# KiCad board Zynq_SoM.kicad_pcb (continued)
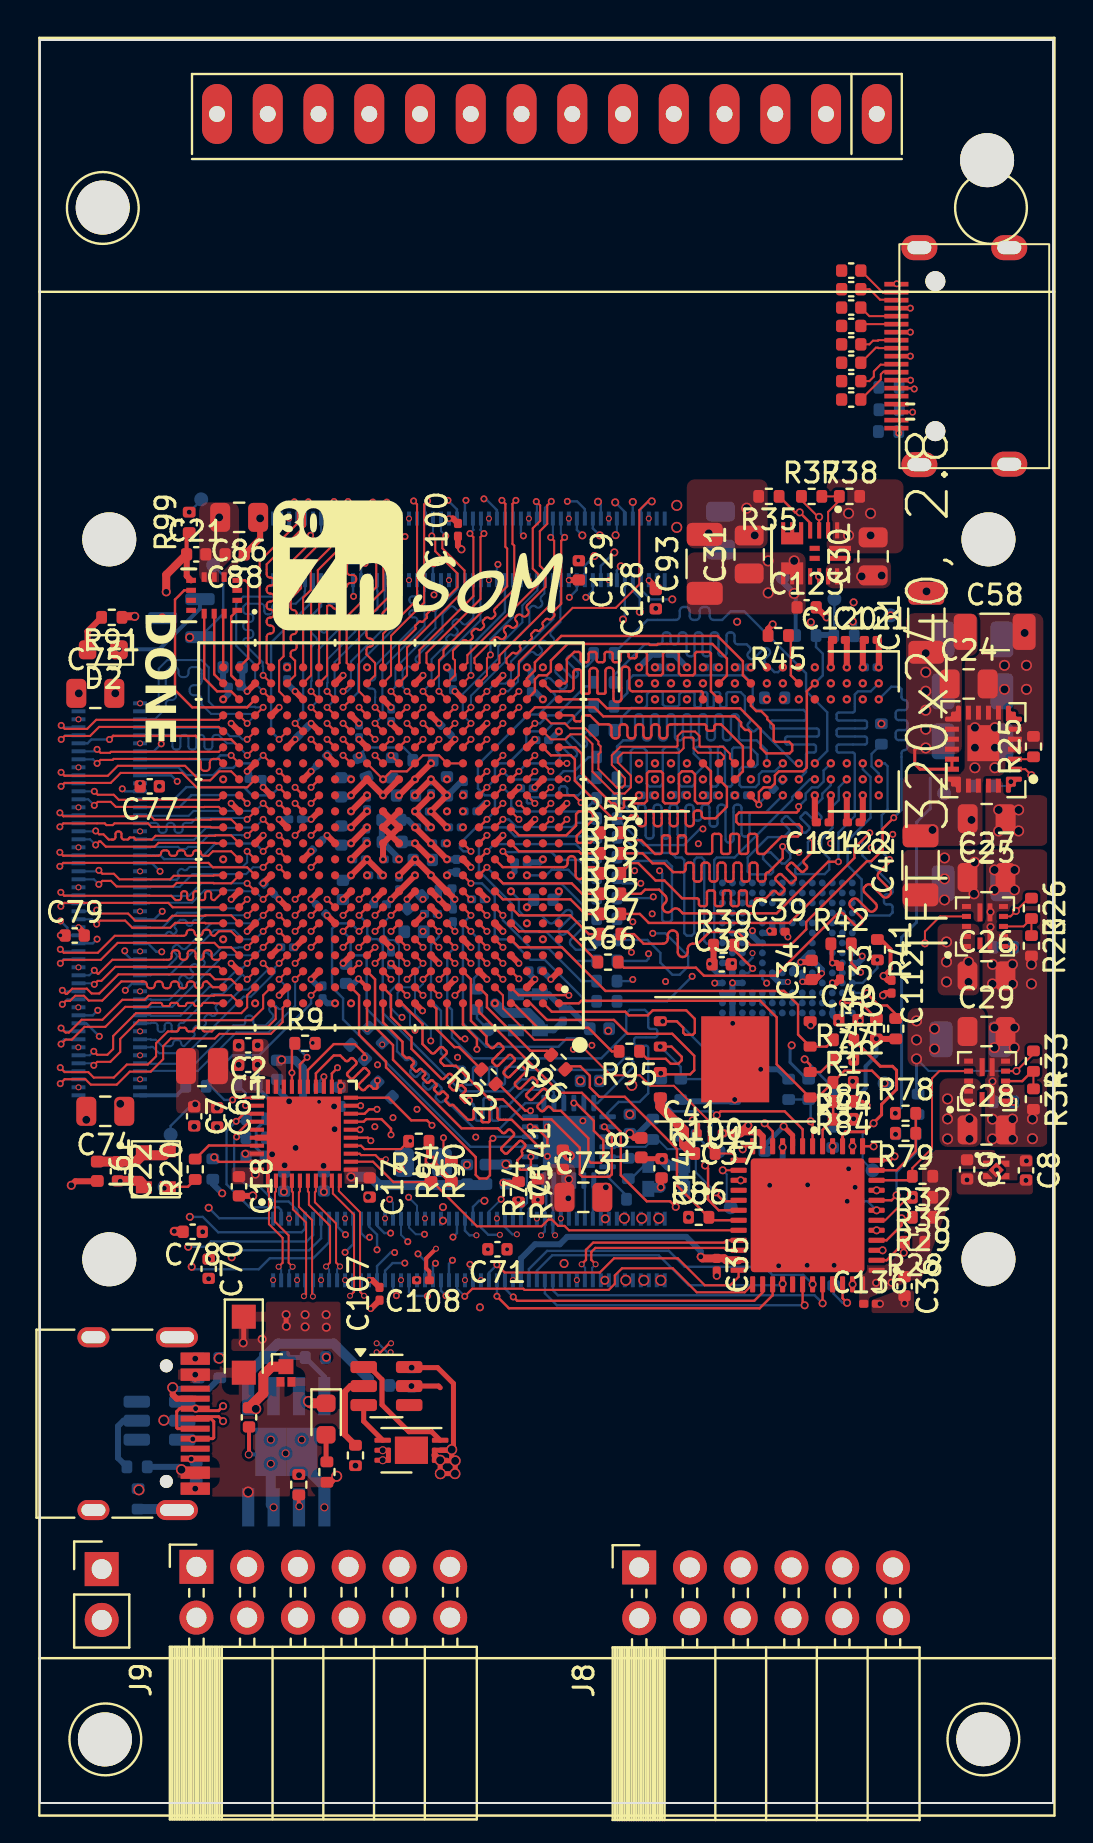
[diagram p0: board, top side]
## Nets (continued)
/Ethernet PHY/3V3A_ETH: C15.1 C17.1 C18.1 L3.2 U3.11 U3.40
/Zynq Power/VCCADC: C103.1 C135.1 L9.1 U2.K11
/Zynq Power/VCCPLL: C43.1 C65.1 L4.2 U2.H10
GND: C1.2 C2.2 C3.2 C4.2 C5.2 C6.2 C7.2 C8.2 C9.2 C10.2 C11.2 C12.2 C13.2 C15.2 C16.2 C17.2 C18.2 C19.2 C20.2 C21.2 C22.2 C23.2 C24.2 C25.2 C26.2 C27.2 C28.2 C29.2 C30.2 C31.2 C32.2 C33.2 C34.2 C35.2 C36.2 C37.2 C38.2 C39.2 C40.2 C41.2 C42.2 C43.2 C44.2 C45.2 C46.2 C47.2 C48.2 C49.2 C50.2 C51.2 C52.2 C53.2 C54.2 C55.2 C56.2 C57.2 C58.2 C59.2 C60.2 C61.2 C62.2 C63.2 C64.2 C65.2 C66.2 C67.2 C68.2 C69.2 C70.2 C71.2 C72.2 C73.2 C74.2 C75.2 C76.2 C77.2 C78.2 C79.2 C80.2 C81.2 C82.2 C83.2 C84.2 C85.2 C86.2 C87.2 C88.2 C89.2 C90.2 C91.2 C92.2 C93.2 C94.2 C95.2 C96.2 C97.2 C98.2 C99.2 C100.2 C101.2 C102.2 C103.2 C104.2 C105.2 C106.2 C107.2 C108.2 C109.2 C110.2 C111.2 C112.2 C114.2 C116.1 C118.2 C119.2 C120.2 C121.2 C122.2 C123.2 C124.2 C125.2 C126.2 C127.2 C128.2 C129.2 C130.2 C131.2 C132.2 C133.2 C134.2 C135.2 C136.2 C137.2 C138.2 C139.2 C141.2 C142.2 J1.15 J1.16 J1.17 J1.18 J1.23 J1.28 J1.34 J1.39 J1.44 J1.51 J1.62 J1.63 J1.72 J1.75 J1.81 J1.82 J1.87 J1.93 J1.96 J1.99 J2.4 J2.5 J2.6 J2.15 J2.16 J2.25 J2.26 J2.35 J2.36 J2.45 J2.46 J2.55 J2.56 J2.65 J2.66 J2.75 J2.76 J2.85 J2.86 J2.95 J2.96 J2.97 J3.3 J3.6 J3.12 J3.13 J3.18 J3.23 J3.28 J3.33 J3.38 J3.43 J3.48 J3.53 J3.58 J3.63 J3.68 J3.73 J3.80 J3.83 J3.90 J3.95 J3.100 J4.14 J5.A1 J5.A12 J5.B1 J5.B12 J6.1 J6.4 J6.7 J6.10 J6.13 J6.SH Q1.4 Q3.3 R4.2 R8.2 R9.2 R10.2 R13.2 R16.2 R17.2 R23.2 R24.1 R25.2 R27.2 R30.2 R31.2 R34.2 R35.2 R38.2 R45.2 R46.2 R48.2 R75.1 R76.2 R77.2 R79.2 R81.2 R83.2 R85.2 R89.2 R93.2 R101.1 R102.1 R103.1 R104.1 R108.2 R109.2 R111.1 U1.A9 U1.B1 U1.B3 U1.B9 U1.D1 U1.D8 U1.E1 U1.E2 U1.E8 U1.F9 U1.G1 U1.G8 U1.G9 U1.J2 U1.J8 U1.M1 U1.M9 U1.P1 U1.P9 U1.T1 U1.T9 U2.A5 U2.A15 U2.AA5 U2.AA15 U2.AB8 U2.AB18 U2.B8 U2.B18 U2.C1 U2.C11 U2.C21 U2.D4 U2.D14 U2.E7 U2.E17 U2.F10 U2.F20 U2.G3 U2.H6 U2.H8 U2.H12 U2.H14 U2.H16 U2.J9 U2.J11 U2.J13 U2.J19 U2.K2 U2.K8 U2.K10 U2.K12 U2.K14 U2.K22 U2.L5 U2.L9 U2.L11 U2.L12 U2.L13 U2.L15 U2.M8 U2.M10 U2.M11 U2.M12 U2.M14 U2.M18 U2.N1 U2.N9 U2.N11 U2.N12 U2.N13 U2.N21 U2.P4 U2.P8 U2.P10 U2.P12 U2.P14 U2.R9 U2.R11 U2.R13 U2.R17 U2.T20 U2.U3 U2.U13 U2.V6 U2.V16 U2.W9 U2.W19 U2.Y2 U2.Y12 U2.Y22 U3.36 U3.41 U4.2 U4.4 U4.7 U4.8 U5.25 U6.2 U6.4 U6.7 U6.8 U7.A6 U7.C4 U7.E7 U7.G5 U7.H10 U7.J5 U7.K8 U7.N1 U7.N2 U7.N5 U7.N6 U7.P4 U7.P6 U8.4 U8.5 U8.6 U8.8 U8.9 U8.10 U8.11 U8.18 U8.19 U8.20 U8.23 U9.49 U10.1 U10.16 U11.4 U11.9 U12.2 U13.2 U13.5 U14.6 U14.7 U15.1 U15.3 U15.9 X1.2 X2.2 X3.2
VBAT: C116.2 J7.1 Q4.3 R107.2 R110.1 U15.5
VBUS_OUT_EN: J1.38 U5.7
VIN: C8.1 C25.1 C26.1 C28.1 C30.1 D1.1 J1.1 J1.2 J1.3 J1.4 J1.5 J1.6 J1.7 J1.8 J1.9 J1.10 J1.11 J1.12 J1.13 J1.14 J4.13 Q4.2 U4.12 U4.13 U4.14 U6.12 U6.13 U6.14 U8.21 U8.22 U10.13 U10.14 U13.3 U13.4
/eMMC/eMMC_VDDI: C40.1 U7.C1 U7.C2
/Ethernet PHY/25MHz_1V8: C22.1 L6.1 X2.1 X2.4
/Ethernet PHY/CLK_25MHz: R20.1 TP12.1 X2.3
/Ethernet PHY/ETH_CLK_25MHz: R20.2 U3.37
/Ethernet PHY/ETH_REG_OUT: L1.1 U3.30
/Peripheral/CONN_CK+: C144.2 J6.11
/Peripheral/CONN_CK-: C148.2 J6.12
/Peripheral/CONN_D0+: C143.2 J6.8
/Peripheral/CONN_D0-: C147.2 J6.9
/Peripheral/CONN_D1+: C140.2 J6.5
/Peripheral/CONN_D1-: C146.2 J6.6
/Peripheral/CONN_D2+: C117.2 J6.2
/Peripheral/CONN_D2-: C145.2 J6.3
/Power/VSET: R25.1 U8.3
/System Controller/STM32_VDDA: C32.1 C137.1 L5.2 U9.21
/USB HS PHY/13MHz_1V8: C142.1 L8.1 X1.1 X1.4
/USB HS PHY/CLK_13MHz: R21.1 X1.3
/USB HS PHY/RBIAS: R24.2 U5.24
/USB HS PHY/USB_REFCLK_13MHz: R21.2 U5.23
/USB HS PHY/USB_ULPI_CLKOUT_T: R22.1 U5.12
/Zynq B500-B501/33MHz_3V3: C23.1 L7.1 X3.1 X3.4
/Zynq B500-B501/PS_CLK_33MHz: R2.1 TP4.1 X3.3
/Zynq B500-B501/PS_CLK_33MHz_T: R2.2 U2.F7
/Zynq B500-B501/PS_MIO_VREF_501: C94.1 R92.2 R93.1 U2.F8
/Zynq B500-B501/STM32_SCL_T: R96.2 U2.B6
/Zynq Config/LED_A: D2.2 R91.2
/Zynq Config/VT_OUTPUT: D2.1 Q3.1
/Zynq_B502_DDR/DDR_A0: R53.1 U2.M4
/Zynq_B502_DDR/DDR_A0_T: R53.2 U1.N3
/Zynq_B502_DDR/DDR_A1: R54.1 U2.M5
/Zynq_B502_DDR/DDR_A1_T: R54.2 U1.P7
/Zynq_B502_DDR/DDR_A2: R55.1 U2.K4
/Zynq_B502_DDR/DDR_A2_T: R55.2 U1.P3
/Zynq_B502_DDR/DDR_A3: R56.1 U2.L4
/Zynq_B502_DDR/DDR_A3_T: R56.2 U1.N2
/Zynq_B502_DDR/DDR_A4: R57.1 U2.K6
/Zynq_B502_DDR/DDR_A4_T: R57.2 U1.P8
/Zynq_B502_DDR/DDR_A5: R58.1 U2.K5
/Zynq_B502_DDR/DDR_A5_T: R58.2 U1.P2
/Zynq_B502_DDR/DDR_A6: R59.1 U2.J7
/Zynq_B502_DDR/DDR_A6_T: R59.2 U1.R8
/Zynq_B502_DDR/DDR_A7: R60.1 U2.J6
/Zynq_B502_DDR/DDR_A7_T: R60.2 U1.R2
/Zynq_B502_DDR/DDR_A8: R61.1 U2.J5
/Zynq_B502_DDR/DDR_A8_T: R61.2 U1.T8
/Zynq_B502_DDR/DDR_A9: R62.1 U2.H5
/Zynq_B502_DDR/DDR_A9_T: R62.2 U1.R3
/Zynq_B502_DDR/DDR_A10: R63.1 U2.J3
/Zynq_B502_DDR/DDR_A10_T: R63.2 U1.L7
/Zynq_B502_DDR/DDR_A11: R64.1 U2.G5
/Zynq_B502_DDR/DDR_A11_T: R64.2 U1.R7
/Zynq_B502_DDR/DDR_A12: R65.1 U2.H4
/Zynq_B502_DDR/DDR_A12_T: R65.2 U1.N7
/Zynq_B502_DDR/DDR_A13: R66.1 U2.F4
/Zynq_B502_DDR/DDR_A13_T: R66.2 U1.T3
/Zynq_B502_DDR/DDR_A14: R67.1 U2.G4
/Zynq_B502_DDR/DDR_A14_T: R67.2 U1.T7
/Zynq_B502_DDR/DDR_BA0: R68.1 U2.L7
/Zynq_B502_DDR/DDR_BA0_T: R68.2 U1.M2
/Zynq_B502_DDR/DDR_BA1: R69.1 U2.L6
/Zynq_B502_DDR/DDR_BA1_T: R69.2 U1.N8
/Zynq_B502_DDR/DDR_BA2: R70.1 U2.M6
/Zynq_B502_DDR/DDR_BA2_T: R70.2 U1.M3
/Zynq_B502_DDR/DDR_CK_E: R73.1 U2.V3
/Zynq_B502_DDR/DDR_CK_E_T: R73.2 U1.K9
/Zynq_B502_DDR/DDR_CK_N: R50.2 U1.K7 U2.N5
/Zynq_B502_DDR/DDR_CK_P: R50.1 U1.J7 U2.N4
/Zynq_B502_DDR/DDR_DM0: U1.E7 U2.AA2
/Zynq_B502_DDR/DDR_DM1: U1.D3 U2.P1
/Zynq_B502_DDR/DDR_DQ0: U1.E3 U2.U1
/Zynq_B502_DDR/DDR_DQ1: U1.F7 U2.AA1
/Zynq_B502_DDR/DDR_DQ2: U1.F2 U2.U2
/Zynq_B502_DDR/DDR_DQ3: U1.F8 U2.Y3
/Zynq_B502_DDR/DDR_DQ4: U1.H3 U2.W3
/Zynq_B502_DDR/DDR_DQ5: U1.H8 U2.AA3
/Zynq_B502_DDR/DDR_DQ6: U1.G2 U2.W1
/Zynq_B502_DDR/DDR_DQ7: U1.H7 U2.Y1
/Zynq_B502_DDR/DDR_DQ8: U1.D7 U2.R3
/Zynq_B502_DDR/DDR_DQ9: U1.C3 U2.N3
/Zynq_B502_DDR/DDR_DQ10: U1.C8 U2.T2
/Zynq_B502_DDR/DDR_DQ11: U1.C2 U2.M2
/Zynq_B502_DDR/DDR_DQ12: U1.A7 U2.R1
/Zynq_B502_DDR/DDR_DQ13: U1.A2 U2.M1
/Zynq_B502_DDR/DDR_DQ14: U1.B8 U2.T1
/Zynq_B502_DDR/DDR_DQ15: U1.A3 U2.T3
/Zynq_B502_DDR/DDR_DQS0_N: U1.G3 U2.W2
/Zynq_B502_DDR/DDR_DQS0_P: U1.F3 U2.V2
/Zynq_B502_DDR/DDR_DQS1_N: U1.B7 U2.P2
/Zynq_B502_DDR/DDR_DQS1_P: U1.C7 U2.N2
/Zynq_B502_DDR/DDR_ODT: R72.1 U2.P5
/Zynq_B502_DDR/DDR_ODT_T: R72.2 U1.K1
/Zynq_B502_DDR/DDR_VRN: R46.1 U2.M7
/Zynq_B502_DDR/DDR_VRP: R47.2 U2.N7
/Zynq_B502_DDR/DDR_ZQ: R45.1 U1.L8
/Zynq_B502_DDR/DDR_~{CAS}: R49.1 U2.P3
/Zynq_B502_DDR/DDR_~{CAS}_T: R49.2 U1.K3
/Zynq_B502_DDR/DDR_~{CS}: R51.1 U2.P6
/Zynq_B502_DDR/DDR_~{CS}_T: R51.2 U1.L2
/Zynq_B502_DDR/DDR_~{RAS}: R52.1 U2.R5
/Zynq_B502_DDR/DDR_~{RAS}_T: R52.2 U1.J3
/Zynq_B502_DDR/DDR_~{RST}: R48.1 U1.T2 U2.F3
/Zynq_B502_DDR/DDR_~{WE}: R71.1 U2.R4
/Zynq_B502_DDR/DDR_~{WE}_T: R71.2 U1.L3
eMMC_CLK: U2.D11 U7.M6
eMMC_CMD: R39.2 U2.B10 U7.M5
eMMC_D0: R40.2 U2.D12 U7.A3
eMMC_D1: R41.2 U2.C14 U7.A4
eMMC_D2: R42.2 U2.D13 U7.A5
eMMC_D3: R43.2 U2.C10 U7.B2
eMMC_~{RST}: R97.2 U7.K5 U9.16
ETH_LED0: R18.2 U3.32
ETH_LED1: J1.98 R17.1 U3.33
ETH_LED2: J1.94 R19.2 U3.34
ETH_PHY_INT: R15.2 U2.B16 U3.31
ETH_PHY_MDC: U2.D10 U3.13
ETH_PHY_MDI0_N: J1.95 U3.2
ETH_PHY_MDI0_P: J1.97 U3.1
ETH_PHY_MDI1_N: J1.89 U3.5
ETH_PHY_MDI1_P: J1.91 U3.4
ETH_PHY_MDI2_N: J1.83 U3.7
ETH_PHY_MDI2_P: J1.85 U3.6
ETH_PHY_MDI3_N: J1.77 U3.10
ETH_PHY_MDI3_P: J1.79 U3.9
ETH_PHY_MDIO: R14.2 U2.C12 U3.14
ETH_PHY_RST: R90.2 U3.12 U9.32
ETH_PHY_RXC: R9.1 U2.A14 U3.27
ETH_PHY_RXCTL: R10.1 U2.D7 U3.26
ETH_PHY_RXD0: R12.2 U2.E11 U3.25
ETH_PHY_RXD1: R11.2 U2.B7 U3.24
ETH_PHY_RXD2: R8.1 U2.F12 U3.23
ETH_PHY_RXD3: R7.2 U2.A13 U3.22
ETH_PHY_TXC: U2.D6 U3.20
ETH_PHY_TXCTL: U2.F11 U3.19
ETH_PHY_TXD0: U2.E9 U3.18
ETH_PHY_TXD1: U2.A7 U3.17
ETH_PHY_TXD2: U2.E10 U3.16
ETH_PHY_TXD3: U2.A8 U3.15
FPDI_CEC: R112.2
FPDI_CLK+: C144.1
FPDI_CLK-: C148.1
FPDI_D0+: C143.1
FPDI_D0-: C147.1
FPDI_D1+: C140.1
FPDI_D1-: C146.1
FPDI_D2+: C117.1
FPDI_D2-: C145.1
FPDI_HPD: R114.2
FPDI_UTIL: R113.2
IO_0_35: J1.86 U2.H17
IO_25_13: J2.23 U2.U7
IO_25_33: J2.79 U2.U14
IO_L1_N_13: J2.37 U2.V9
IO_L1_N_33: J3.89 U2.U21
IO_L1_N_35: J1.92 U2.E16
IO_L1_P_33: J3.86 U2.T21
IO_L1_P_35: J1.74 U2.F16
IO_L1P_13: J2.57 U2.V10
IO_L2_N_13: J2.14 J4.3 U2.W8
IO_L2_N_33: J3.87 U2.U22
IO_L2_N_35: J1.100 U2.D17
IO_L2_P_13: J2.20 J4.5 U2.V8
IO_L2_P_33: J3.85 U2.T22
IO_L3_DQS_N_33: J3.93 U2.W22
IO_L3_DQS_P_33: J3.91 U2.V22
IO_L3_N_13: J2.43 U2.W10
IO_L3_P_13: J2.18 J4.6 U2.W11
IO_L3P_PUDC_34: J3.39 U2.K16
IO_L4_N_13: J2.63 U2.W12
IO_L4_N_33: J3.96 U2.W21
IO_L4_N_34: J3.41 U2.M17
IO_L4_N_35: J1.84 U2.G16
IO_L4_P_13: J2.61 U2.V12
IO_L4_P_33: J3.98 U2.W20
IO_L4_P_35: J1.80 U2.G15
IO_L5_N_13: J2.24 J4.7 U2.U11
IO_L5_N_33: J3.94 U2.V20
IO_L5_N_34: J3.36 U2.N18
IO_L5_N_35: J1.88 U2.E18
IO_L5_P_33: J3.92 U2.U20
IO_L5_P_34: J3.60 U2.N17
IO_L5_P_35: J1.90 U2.F18
IO_L5P_13: J2.38 U2.U12
IO_L6_N_VREF_13: J2.17 U2.U9
IO_L6_P_13: J2.21 U2.U10
IO_L6_P_33: J2.89 U2.V18
IO_L6_P_35: J1.78 U2.G17
IO_L6_VREF_N_34: J3.78 U2.M16
IO_L6_VREF_N_35: J1.76 U2.F17
IO_L7_N_13: J2.64 U2.AB12
IO_L7_N_33: U2.AB22 U14.14
IO_L7_N_34: J3.40 U2.K18
IO_L7_P_13: J2.62 U2.AA12
IO_L7_P_33: U2.AA22 U14.13
IO_L7_P_34: J3.19 U2.J18
IO_L8_N_13: J2.60 U2.AB11
IO_L8_N_33: U2.AB21 U14.4
IO_L8_N_34: J3.57 U2.J22
IO_L8_N_35: U2.B17
IO_L8_P_13: J2.58 U2.AA11
IO_L8_P_33: U2.AA21 U14.1
IO_L8_P_34: J3.55 U2.J21
IO_L9_DQS_N_13: J2.48 U2.AB9
IO_L9_DQS_N_33: U2.Y21 U14.12
IO_L9_DQS_N_34: J3.61 U2.K21
IO_L9_DQS_P_13: J2.50 U2.AB10
IO_L9_DQS_P_33: U2.Y20 U14.9
IO_L9_DQS_P_34: J3.59 U2.J20
IO_L10_N_13: J2.51 U2.Y10
IO_L10_N_33: J2.94 U2.AB20
IO_L10_N_34: J3.65 U2.L22
IO_L10_N_35: J3.7 U2.A19
IO_L10_P_13: J2.53 U2.Y11
IO_L10_P_33: J2.92 U2.AB19
IO_L10_P_34: J3.67 U2.L21
IO_L10_P_35: J3.5 U2.A18
IO_L11_SRCC_N_13: J2.40 U2.AA8
IO_L11_SRCC_N_33: J2.91 U2.AA19
IO_L11_SRCC_N_34: J3.56 U2.K20
IO_L11_SRCC_N_35: J3.10 U2.C18
IO_L11_SRCC_P_13: J2.42 U2.AA9
IO_L11_SRCC_P_33: J2.93 U2.Y19
IO_L11_SRCC_P_34: J3.54 U2.K19
IO_L11_SRCC_P_35: J3.8 U2.C17
IO_L12_MRCC_N_13: J2.47 U2.Y8
IO_L12_MRCC_N_33: J2.88 U2.AA18
IO_L12_MRCC_N_34: J3.62 U2.L19
IO_L12_MRCC_N_35: J3.16 U2.C19
IO_L12_MRCC_P_13: J2.49 U2.Y9
IO_L12_MRCC_P_33: J2.90 U2.Y18
IO_L12_MRCC_P_34: J3.46 U2.L18
IO_L12_MRCC_P_35: J3.14 U2.D18
IO_L13_MRCC_N_13: J2.27 U2.Y5
IO_L13_MRCC_N_34: J3.64 U2.M20
IO_L13_MRCC_N_35: J3.11 U2.B20
IO_L13_MRCC_P_13: J2.29 U2.Y6
IO_L13_MRCC_P_34: J3.66 U2.M19
IO_L13_MRCC_P_35: J3.9 U2.B19
IO_L14_N_SRCC_13: J2.39 U2.AA6
IO_L14_P_SRCC_13: J2.41 U2.AA7
IO_L14_SRCC_N_33: J2.83 U2.Y16
IO_L14_SRCC_N_34: J3.70 U2.N20
IO_L14_SRCC_N_35: J3.20 U2.C20
IO_L14_SRCC_P_33: J2.81 U2.W16
IO_L14_SRCC_P_34: J3.72 U2.N19
IO_L14_SRCC_P_35: J3.22 U2.D20
IO_L15_DQS_N_34: J3.69 U2.M22
IO_L15_DQS_N_35: J3.15 U2.A22
IO_L15_DQS_P_34: J3.71 U2.M21
IO_L15_DQS_P_35: J3.17 U2.A21
IO_L15_N_33: J2.54 U2.U16
IO_L15_P_13: J2.9 U2.AB2
IO_L15_P_33: J2.77 U2.V15
IO_L16_N_13: J2.28 J4.9 U2.AB4
IO_L16_N_33: J2.87 U2.V17
IO_L16_N_34: J3.77 U2.P22
IO_L16_N_35: J3.29 U2.C22
IO_L16_P_13: J2.30 U2.AB5
IO_L16_P_34: J3.75 U2.N22
IO_L16_P_35: J3.31 U2.D22
IO_L17_N_13: J2.32 J4.11 U2.AB6
IO_L17_N_33: J2.84 U2.AB17
IO_L17_N_34: J3.81 U2.R21
IO_L17_N_35: J3.35 U2.D21
IO_L17_P_13: J2.34 J4.12 U2.AB7
IO_L17_P_33: J2.82 U2.AA17
IO_L17_P_34: J3.79 U2.R20
IO_L17_P_35: J3.37 U2.E21
IO_L18_N_13: J2.8 J4.1 U2.AA4
IO_L18_N_33: J2.80 U2.AB16
IO_L18_N_34: J3.74 U2.P21
IO_L18_N_35: J3.25 U2.B22
IO_L18_P_13: J2.11 U2.Y4
IO_L18_P_33: J2.78 U2.AA16
IO_L18_P_35: J3.27 U2.B21
IO_L19_N_VREF_35: J3.52 U2.H20
IO_L19_P_13: J2.12 J4.4 U2.R6
IO_L19_P_33: J2.22 J4.8 U2.V14
IO_L19_P_35: J3.50 U2.H19
IO_L19_VREF_N_33: J2.52 U2.U15
IO_L20_N_33: J2.44 U2.W13
IO_L20_N_34: J3.76 U2.P18
IO_L20_N_35: J3.32 U2.F19
IO_L20_P_33: J2.59 U2.V13
IO_L20_P_34: J3.30 U2.P17
IO_L20_P_35: J3.34 U2.G19
IO_L21_DQS_N_33: J2.73 U2.Y15
IO_L21_DQS_N_35: J3.26 U2.E20
IO_L21_DQS_P_33: J2.71 U2.W15
IO_L21_DQS_P_35: J3.24 U2.E19
IO_L21_P_13: J2.13 U2.V5
IO_L22_N_33: J2.69 U2.AA14
IO_L22_N_34: J3.84 U2.T19
IO_L22_N_35: J3.44 U2.G21
IO_L22_P_13: J2.19 U2.U6
IO_L22_P_33: J2.67 U2.Y14
IO_L22_P_35: J3.42 U2.G20
IO_L23_N_13: J2.31 U2.W7
IO_L23_N_33: J2.68 U2.AA13
IO_L23_N_35: J3.45 U2.F22
IO_L23_P_13: J2.33 U2.V7
IO_L23_P_33: J2.70 U2.Y13
IO_L23_P_34: J3.88 U2.R18
IO_L23_P_35: J3.47 U2.F21
IO_L24_N_13: J2.7 U2.W5
IO_L24_N_33: J2.74 U2.AB15
IO_L24_N_34: J3.21 U2.R16
IO_L24_N_35: J3.49 U2.G22
IO_L24_P_13: J2.10 J4.2 U2.W6
IO_L24_P_33: J2.72 U2.AB14
IO_L24_P_34: J3.82 U2.P16
IO_L24_P_35: J3.51 U2.H22
QSPI_CLK: R13.1 R95.1 TP11.1 U11.6
QSPI_CLK_T/BM4: R95.2 U2.A4
QSPI_D0/BM3: R76.1 TP7.1 U2.A2 U11.5
QSPI_D1/BM1: R77.1 TP8.1 U2.F6 U11.2
QSPI_D2/BM2: R1.2 U2.E4 U11.3
QSPI_D3/BM0: R6.2 U2.A3 U11.7
QSPI_~{CS}: R44.2 TP6.1 U2.A1 U11.1
SDIO_CLK: J1.67 U2.E14
SDIO_CMD: J1.69 U2.C8
SDIO_D0: J1.65 U2.D8
SDIO_D1: J1.61 U2.B11
SDIO_D2: J1.73 U2.E13
SDIO_D3: J1.71 U2.B9
SENSE_1V0: R78.2 R79.1 U9.11
SENSE_1V8: R80.2 R81.1 U9.18
SENSE_1V35: R84.2 R85.1 U9.17
SENSE_3V3: R82.2 R83.1 U9.8
STM32_BOOT0: J1.57 R4.1 U9.46
STM32_DAC1: J1.49 U9.12
STM32_DAC2: J1.55 U9.13
STM32_GPIO1: J1.33 U9.40
STM32_GPIO2: J1.35 U9.43
STM32_GPIO3: J1.43 U9.39
STM32_GPIO4: J1.41 U9.38
STM32_GPIO5: J1.53 U9.37
STM32_GPIO6: J1.45 U9.36
STM32_GPIO7: J1.59 U9.22
STM32_GPIO8: J1.54 U9.24
STM32_NRST: C13.1 J1.47 R3.2 U9.7
STM32_SCL: R86.2 R96.1 U9.31
STM32_SDA: R87.2 U2.E6 U9.30
STM32_USB_CC1: J1.29 U9.44
STM32_USB_CC2: J1.31 U9.42
STM32_USB_D_N: J1.21 U9.33
STM32_USB_D_P: J1.19 U9.34
USB_D+: J1.32 J5.A6 J5.B6 U5.6 U12.3
USB_D-: J1.30 J5.A7 J5.B7 U5.5 U12.1
USB_ID: J1.20 U5.1
USB_PHY_RST: R5.2 U5.22 U9.29
USB_ULPI_CLKOUT: R22.2 U2.A9
USB_ULPI_DATA0: U2.C7 U5.16
USB_ULPI_DATA1: U2.G13 U5.15
USB_ULPI_DATA2: U2.B12 U5.14
USB_ULPI_DATA3: U2.F14 U5.13
USB_ULPI_DATA4: U2.A12 U5.11
USB_ULPI_DATA5: U2.B14 U5.10
USB_ULPI_DATA6: U2.F13 U5.9
USB_ULPI_DATA7: U2.C13 U5.8
USB_ULPI_DIR: U2.E8 U5.19
USB_ULPI_NXT: U2.F9 U5.18
USB_ULPI_STP: U2.A11 U5.20
USB_VBUS: J1.22 U5.2
ZYNQ_BMODE_0: R6.1 TP10.1 U9.19
ZYNQ_BMODE_2: R1.1 TP9.1 U9.15
ZYNQ_PL_DONE: Q3.2 TP3.1 U2.T12
ZYNQ_PL_INITB: R99.2 TP2.1 U2.T14
ZYNQ_PL_PROGB: R98.2 TP1.1 U2.T11 U9.14
ZYNQ_PS_MIO0: J1.50 U2.G6
ZYNQ_PS_MIO7/VM0: J1.40 R75.2 U2.D5
ZYNQ_PS_MIO8\VM1: J1.36 R74.1 U2.E5
ZYNQ_PS_MIO9: J1.52 U2.C4
ZYNQ_PS_MIO10: J1.42 U2.G7
ZYNQ_PS_MIO11: J1.48 U2.B4
ZYNQ_PS_MIO12: J1.46 U2.C5
ZYNQ_PS_MIO13: U2.A6 U9.27
ZYNQ_PS_POR: R100.2 U2.B5 U9.25
ZYNQ_PS_SRST: R94.2 TP5.1 U2.C9 U9.26
ZYNQ_TCK: J1.64 U2.G11
ZYNQ_TDI: J1.70 U2.H13
ZYNQ_TDO: J1.68 U2.G14
ZYNQ_TMS: J1.66 U2.G12
Net-(D1-A): D1.2 J5.A4 J5.A9 J5.B4 J5.B9 Q4.1 R104.2 R105.1 R106.1 U15.4
Net-(J5-CC1): J5.A5 R102.2
Net-(J5-CC2): J5.B5 R103.2
Net-(J5-SHIELD): J5.S1 R101.2
Net-(J6-CEC): J6.14 R112.1
Net-(J6-HPD): J6.19 R114.1
Net-(J6-UTILITY): J6.17 R113.1
Net-(J7-Pin_2): C115.1 J7.2 Q1.1 U16.6
Net-(LED1-A): LED1.2 R106.2
Net-(LED1-K): LED1.1 U15.7
Net-(Q1A-D-Pad6): Q1.3 Q1.6
Net-(U3-RSET): R16.1 U3.39
Net-(U4-FB): R23.1 R26.2 U4.5
Net-(U6-FB): R33.2 R34.1 U6.5
Net-(U9-VREF+): C139.1 U9.20
Net-(U10-FB): R37.2 R38.1 U10.2
Net-(U12-VP): R105.2 U12.5
Net-(U15-CE): R108.1 R110.2 U15.8
Net-(U15-PROG): R109.1 U15.2
Net-(U16-CS): R111.2 U16.2
Net-(U16-OC): Q1.5 U16.3
Net-(U16-OD): Q1.2 U16.1
Net-(U16-VCC): C115.2 R107.1 U16.5

Pads without a net: J4 10; J5 A8 B8; J6 15 16; J8 1 2 3 4 5 6 7 8 9 10 11 12; J9 1 2 3 4 5 6 7 8 9 10 11 12; U1 J1 J9 L1 L9 M7; U2 A16 A17 AB1 B1 B2 B15 C2 C3 C15 D1 D2 D3 D15 D16 E1 E3 E15 F1 F2 G1 G2 G10 H2 H3 H15 H18 J1 J2 J15 J16 J17 K1 K3 K15 L1 L2 L3 L16 L17 M15 N15 P15 P20 R7 R15 R19 T4 T6 T16 T17 T18 U4 U5 U17 U19 V4 V19 W17 W18; U3 35; U4 1; U6 1; U7 A1 A2 A7 A8 A9 A10 A11 A12 A13 A14 B1 B3 B4 B5 B6 B7 B8 B9 B10 B11 B12 B13 B14 C3 C5 C7 C8 C9 C10 C11 C12 C13 C14 D1 D2 D3 D4 D12 D13 D14 E1 E2 E3 E5 E8 E9 E10 E12 E13 E14 F1 F2 F3 F10 F12 F13 F14 G1 G2 G3 G10 G12 G13 G14 H1 H2 H3 H5 H12 H13 H14 J1 J2 J3 J12 J13 J14 K1 K2 K3 K6 K7 K10 K12 K13 K14 L1 L2 L3 L12 L13 L14 M1 M2 M3 M7 M8 M9 M10 M11 M12 M13 M14 N7 N8 N9 N10 N11 N12 N13 N14 P1 P2 P7 P8 P9 P10 P11 P12 P13 P14; U8 7; U9 28 41 45; U10 5 11 15 17 18; U12 4 6; U14 2 3 10 11; U15 6; U16 4

## Via types
v1: diameter 0.35, hole 0.2, L1 (Sig) to L8 (Sig), 595 vias
v2: diameter 0.3, hole 0.2, L1 (Sig) to L8 (Sig), 91 vias
v3: diameter 0.55, hole 0.4, L1 (Sig) to L8 (Sig), 107 vias
v4: diameter 0.4, hole 0.25, L1 (Sig) to L8 (Sig), 143 vias
v5: diameter 0.45, hole 0.3, L1 (Sig) to L8 (Sig), 47 vias
v6: diameter 0.4, hole 0.3, L1 (Sig) to L8 (Sig), 18 vias

## Routing (per net, layer and track width the routed paths; a pad name or vN(x,y) marks a point on that pad's centre or on a via; arc(x,y) is an arc through that point)
1V0_EN: length 27
  L6 (Sig+Pwr) w0.1: v4(48.59,51.07) 48.47,50.95 48.47,47.62 48.26,47.41 48.26,43.55 47.07,42.36 47.07,40.17 46.57,39.67 46.57,35.24 45.97,34.64 45.97,32.2 44.29,30.52 44.29,29.51 43.52,28.74 41.97,28.74 v4(41.87,28.64)
  L8 (Sig) w0.1: v4(48.59,51.07) 48.38,50.86 R27.1
1V0_PG: length 31.5
  L1 (Sig) w0.1: R28.2 43.26,27.55 v4(43.23,27.52) ; v4(49.62,51.4) 49.32,51.7 U8.2
  L1 (Sig) w0.12: R28.2 43.26,28.03 42.37,27.14 U9.2
  L6 (Sig+Pwr) w0.1: v4(49.62,51.4) 49.61,51.39 49.61,43.02 49.17,42.58 49.17,39.82 49.57,39.42 49.57,35.11 49.17,34.71 49.17,32.78 48.62,32.23 48.62,30.74 47.38,29.5 46.93,29.5 44.77,27.34 43.41,27.34 v4(43.23,27.52)
1V8_EN: length 21.7
  L1 (Sig) w0.1: v4(48.72,42.78) 48.67,42.83 U4.3
  L6 (Sig+Pwr) w0.1: v4(40.67,25.94) 40.67,26.79 42.24,28.36 44.01,28.36 45.59,29.94 45.59,30.95 47.12,32.48 47.12,39.11 48.17,40.16 48.17,42.23 v4(48.72,42.78)
  L8 (Sig) w0.12: R30.1 v4(48.72,42.78)
1V8_PG: length 22
  L1 (Sig) w0.1: U4.11 45.04,44.33 44.29,43.58 v4(44.29,42.99) ; v4(43.12,29.24) 43.61,29.24 R29.2
  L1 (Sig) w0.12: U9.4 42.37,28.14 43.12,28.89 v4(43.12,29.24)
  L6 (Sig+Pwr) w0.1: 44.27,43.04 43.48,42.25 43.48,39.95 43.32,39.79 43.32,32.25 42.71,31.64 42.04,31.64 41.32,30.91 41.32,30.39 41.57,30.14 42.22,30.14 v4(43.12,29.24)
1V35_EN: length 44.9
  L1 (Sig) w0.12: U10.4 38.54,64.01 v4(38.02,64.54) 37.79,64.54 36.99,65.34 R35.1
  L6 (Sig+Pwr) w0.12: v4(41.87,30.64) 42.32,31.09 42.8,31.09 44.22,32.51 44.22,36.08 45.42,37.28 45.42,39.14 44.79,39.77 44.79,43.66 45.95,44.82 45.95,58.08 43.35,60.68 38.67,60.68 38.42,60.93 38.42,64.14 v4(38.02,64.54)
1V35_PG: length 41.9
  L1 (Sig) w0.1: 43.45,30.29 42.3,29.14 U9.6
  L6 (Sig+Pwr) w0.1: v4(38.99,61.34) 39.59,61.94 44.31,61.94 47.27,58.98 47.27,45.01 45.92,43.66 45.92,36.75 44.77,35.6 44.77,31.84 43.67,30.74 43.67,30.39
  vias: v4(43.68,30.29)
3V3_EN: length 11.8
  L1 (Sig) w0.12: v4(48.72,35.06) 48.68,35.1 U6.3
  L6 (Sig+Pwr) w0.1: v4(48.72,35.06) 48.72,35.06 48.17,34.51 48.17,32.64 46.97,31.44 46.97,30.38 44.58,27.99 42.52,27.99 v4(42.17,27.64)
3V3_PG: length 8.8
  L1 (Sig) w0.1: U6.11 45.01,36.6 44.64,36.23 44.64,32.74 43.66,31.75 43.66,31.61 ; 43.66,31.16 43.45,31.16
  L1 (Sig) w0.12: U9.10 43.46,31.14
+0V675_REF: length 47.3
  L1 (Sig) w0.12: U2.H7 v1(21.57,45.19) ; v1(35.98,49.92) 35.98,49.93 35.58,50.33 U1.H1 ; v1(35.98,49.92) 35.98,50.55 36.22,50.79 36.59,50.79 36.78,50.98 36.78,51.39 36.98,51.59 38.19,51.59 38.38,51.78 38.38,55.59 v1(38.78,55.99) ; v1(35.98,49.92) 35.95,49.94
  L6 (Sig+Pwr) w0.12: v1(21.57,45.19) 21.21,45.55 21.21,48.05 21.57,48.41 21.57,49.99 v1(21.17,50.39) 22.01,51.23 23.32,51.23 23.57,51.48 23.57,56.64 25.15,58.22 35,58.22 36.22,59.44 38.21,59.44 38.58,59.07 v4(38.58,59.05)
  L8 (Sig) w0.12: R89.1 39.76,58.4 TP16.1 ; v4(38.58,59.05) 38.84,58.79 38.84,57.81 39.18,57.47 39.18,56.39 v1(38.78,55.99) ; C124.1 35.51,50.39 v1(35.98,49.92) 35.98,49.97 C113.2 ; v1(21.57,45.19) C126.1
  L8 (Sig) w0.3: R89.1 39.69,58.41 39.11,58.41
+1V0: length 31.6
  L1 (Sig) w0.15: U8.16 U8.17 44.04,51.7 43.78,51.96 43.78,52.66 43.88,52.76 v3(44.33,52.76)
  L1 (Sig) w0.3: v1(17.17,46.39) v1(16.37,47.19) v1(15.57,46.39) ; v1(18.77,46.39) U2.H11 v1(17.57,45.19) ; v1(16.37,48.79) v1(15.57,47.99) ; v1(16.37,50.39) v1(15.57,49.59) ; U2.H9 U2.G8
  L8 (Sig) w0.15: 44.56,51.25 44.56,49.73 43.87,49.04 43.87,44.04 43.12,43.29 43.12,34.8 v4(42.81,34.49)
  L8 (Sig) w0.3: C66.1 15.17,47.99 v1(15.57,47.99) ; C45.1 15.49,51.27 v1(15.57,51.19) ; v1(20.37,46.39) 20.52,46.54 C47.1 ; v1(17.57,45.19) 17.57,45.17 C61.1 ; C52.1 15.32,46.14 v1(15.57,46.39) ; C46.1 19.97,45.73 v1(19.97,45.19)
  vias: v1(20.37,51.19) v1(20.37,49.59) v1(20.37,47.99) v3(44.33,57.5) v3(44.33,56.55) v3(44.33,55.6) v3(44.33,54.65) v3(44.33,53.7)
+1V8: length 36.2
  L1 (Sig) w0.1: R26.1 49.48,45.25 v4(48.84,44.61) 48.57,44.33 U4.6
  L1 (Sig) w0.2: C108.1 19.49,26.58 19.33,26.74 19.33,27.23 v2(19.82,27.72) ; v1(39.66,42.01) 39.62,42.05 39.62,42.93 R42.1 ; v1(15.94,41.21) U2.B13 ; R41.1 42.08,43.18 42.57,42.69 42.57,41.71 v4(42.22,41.36)
  L1 (Sig) w0.3: v1(33.52,41.96) 33.71,42.15 R39.1 ; U2.E12 v1(17.57,42.79) ; v1(17.97,50.39) v1(18.77,51.19) v1(19.57,51.99) ; R14.1 19.47,32.2 R90.1 R94.1 ; v1(19.57,50.39) v1(18.77,49.59) v1(19.57,48.79) ; C33.1 39.87,42.01 v1(39.66,42.01) ; C107.1 16.56,24.71 v2(16.54,24.71) ; v1(19.14,39.61) U2.A10 ; v5(1.57,30.89) 1.77,31.09 2.85,31.09 L6.2 ; C112.1 42.44,41.14 v4(42.22,41.36) ; L8.2 29.74,33.25 v5(29.52,33.48) ; R40.1 R43.1 ; v1(19.57,47.19) v1(18.77,47.99) ; U2.D9 v1(19.97,41.99) ; U2.G9 v1(19.97,44.39)
  L8 (Sig) w0.15: v4(37.62,37.89) 37.54,37.81 37.54,37.03 38.37,36.2 R80.1
  L8 (Sig) w0.2: v4(41.86,38.22) 41.86,37.38 41.32,36.84 41.32,35.74 39.67,34.09 R97.1
  L8 (Sig) w0.3: v1(18.77,47.99) 18.18,47.99 L9.2 ; U7.M4 v1(34.66,41.01) 34.65,41 U7.N3 U7.P3 ; U7.P5 33.91,41.51 33.52,41.9 v1(33.52,41.96) ; v1(15.94,41.21) 15.71,40.98 C97.1 ; R5.1 29.95,33.48 v5(29.52,33.48)
  vias: v1(19.17,43.59) v2(17.13,37.93) v3(29.62,35.89) v3(45.27,47.26) v3(45.27,46.21) v3(45.27,45.16) v3(46.77,47.04) v3(46.74,45.46) v4(20.17,29.8) v4(20.17,29.12) v5(19.52,32.14) v5(27.04,36.11)
+1V35: length 48.2
  L1 (Sig) w0.1: U10.3 v4(38.99,64.31) 38.95,64.31 38.11,65.15 R37.1
  L1 (Sig) w0.15: v4(41.37,34.89) 41.17,35.09 R84.1
  L1 (Sig) w0.3: C122.1 41.18,49.17 v1(41.18,50.39) ; v1(41.18,56.79) 41.18,58.08 C121.1 ; U2.F5 v1(23.17,43.59) ; C114.1 39.58,49.12 v1(39.58,50.39) ; U2.R2 v1(24.77,50.79) ; v1(24.77,49.19) U2.M3 ; v1(22.37,49.99) U2.N6 ; C120.1 39.58,58.07 v1(39.58,56.79) ; U2.K7 v1(21.57,46.79)
  L4 (Sig+Pwr) w0.15: 41.21,50.39 v1(41.18,50.39)
  L6 (Sig+Pwr) w0.15: v4(41.37,34.89) 41.37,36.69 42.82,38.14 42.82,43.41 44.57,45.16 44.57,47.66 45.22,48.31 45.22,57.66 42.69,60.19 40.87,60.19 v4(40.72,60.04)
  L8 (Sig) w0.2: R88.1 37.82,60.41 v3(37.74,60.49)
  L8 (Sig) w0.3: v1(25.97,45.59) 25.97,45.46 C95.1 ; v1(32.38,56.79) 31.7,57.46 C118.1 ; R47.1 22.26,49.99 v1(22.37,49.99) ; C99.1 25.53,53.15 v1(25.97,53.59) ; v3(37.74,60.49) 37.17,61.06 TP15.1 ; C101.1 23.75,46.57 v1(23.57,46.39)
  vias: v1(25.17,43.19) v1(29.98,55.99) v1(29.98,50.39) v1(30.78,51.19) v1(31.58,56.79) v1(31.58,50.39) v1(32.38,51.19) v1(33.18,56.79) v1(33.98,50.39) v1(34.78,55.19) v1(35.58,56.79) v1(35.58,51.19) v1(37.18,55.99) v1(37.18,51.19) v3(36.44,62.11) v3(36.44,60.51) v3(37.74,62.11)
+3V3: length 92.4
  L1 (Sig) w0.1: R33.1 49.72,37.46 v4(48.87,36.61) 48.86,36.6 U6.6
  L1 (Sig) w0.11: U2.T7 U2.T8 19.97,52.39 19.17,52.39 U2.T10 18.37,51.59 17.57,51.59 v1(17.17,51.19) U2.T13
  L1 (Sig) w0.2: C21.1 7.34,63.4 R99.1
  L1 (Sig) w0.3: v2(38.16,41.07) 38.51,41.07 C34.1 38.82,41.18 v2(39.13,41.49) ; v1(22.37,41.19) U2.C6 ; 26.46,31.2 v5(26.47,31.19) ; v2(23.38,27.69) C71.1 ; U14.8 7.34,61.36 7.34,62.43 C21.1 ; U2.B3 v1(24.77,41.19)
  L1 (Sig) w0.4: R91.1 4.15,59.34 v5(4.74,59.34) ; C21.1 6.32,61.42 v5(6.32,60.56)
  L1 (Sig) w0.5: R100.1 32.68,32.48 32.23,32.93 v4(32.23,33.19) 32.23,33.64 31.04,34.82 U11.8
  L3 (Pwr) w0.5: v4(32.46,29.29) 32.79,29.62 32.79,30.09
  L4 (Sig+Pwr) w0.2: 14.27,43.79 14.33,43.79 14.77,44.22 14.77,45.59
  L4 (Sig+Pwr) w0.4: 14.26,51.79 13.71,52.34 12.02,52.34 11.27,53.09 11.27,53.89 8.17,56.99 6.37,56.99 4.74,58.61 v5(4.74,59.34) 4.74,59.41 5.89,60.56 v5(6.32,60.56)
  L4 (Sig+Pwr) w0.5: v1(17.17,51.19) 17.17,51.39 16.77,51.79 14.26,51.79 14.97,51.08 14.97,45.81 14.84,45.69 ; 14.27,43.79 14.27,41.04 14.22,40.99 14.22,40.21 12.84,38.84 11.82,38.84 10.89,37.91 v6(10.89,37.89) 10.89,35.61 12.42,34.09 12.99,34.09 14.89,32.19 14.89,30.59 15.89,29.59 15.89,27.59 17.02,26.47 17.02,25.21 17.49,24.74 21.97,24.74 v4(22.02,24.79) 21.97,24.79
  L8 (Sig) w0.1: v3(43.87,37.21) 44.47,36.61 v4(48.87,36.61)
  L8 (Sig) w0.15: v3(43.87,37.21) 43.87,35.52 R82.1
  L8 (Sig) w0.2: v6(10.89,36.91) 10.89,35.95 R18.1 10.88,35.78 11.89,34.76 11.89,33.58 11.57,33.26 R19.1
  L8 (Sig) w0.3: v1(17.17,51.19) 17.57,51.19 R98.1 ; U7.J10 36.65,43.74 v1(36.52,43.61) 36.42,43.51 U7.K9 ; U7.F5 38.15,41.07 v2(38.16,41.07) ; v4(28.44,38.61) 28.48,38.65 L7.2 ; U7.E6 38.79,42.01 39.13,41.67 v2(39.13,41.49) ; v1(24.77,41.19) 24.47,41.48 C76.1 ; R87.1 32.03,33.39 v4(32.23,33.19)
  L8 (Sig) w0.5: L3.1 23.3,31.92 v5(23.32,31.94)
  vias: v3(43.87,39.11) v3(43.87,38.16) v3(44.77,38.71) v3(44.77,37.71) v4(40.67,36.09) v5(26.23,26.98) v5(26.44,30.24)
+3V3_SC: length 15.9
  L1 (Sig) w0.3: C37.1 34.84,33.54 35.97,33.54 36.17,33.34 U9.23
  L1 (Sig) w0.35: 33.87,27.24 C35.1
  L1 (Sig) w0.4: C37.1 35.06,33.49 v4(35.45,33.88) ; U9.35 34.34,27.14 34.24,27.24 33.87,27.24 ; C35.1 33.15,27.23 v4(33.07,27.31)
  L8 (Sig) w0.2: 24.07,26.15 24.07,26.63
  L8 (Sig) w0.3: v4(33.07,27.31) 33.07,27.59 32.35,28.31 26.39,28.31 26.02,27.94 24.78,27.94 24.07,27.23 24.07,26.63
  vias: v4(41.84,26.01) v4(42.62,26.02)
+VCCO_13: length 7.2
  L1 (Sig) w0.12: v1(23.17,52.39) U2.T5 ; U2.W4 v1(23.97,54.79)
  L1 (Sig) w0.3: U2.U8 v1(20.77,53.19) ; U2.Y7 v1(20.77,55.59) ; U2.V11 v1(17.57,53.99) ; U2.AA10 v1(19.17,56.39)
  L4 (Sig+Pwr) w0.4: v1(20.77,53.19) 21.57,52.39 v1(23.17,52.39)
  L8 (Sig) w0.3: C132.1 24.57,56.6 24.38,56.79 v1(24.37,56.79) ; v1(20.77,53.19) C130.1
  vias: v2(26.94,62.14) v3(31.87,64.89) v3(31.87,63.79) v4(30.82,59.74)